# KiCad board panel.kicad_pcb (continued)
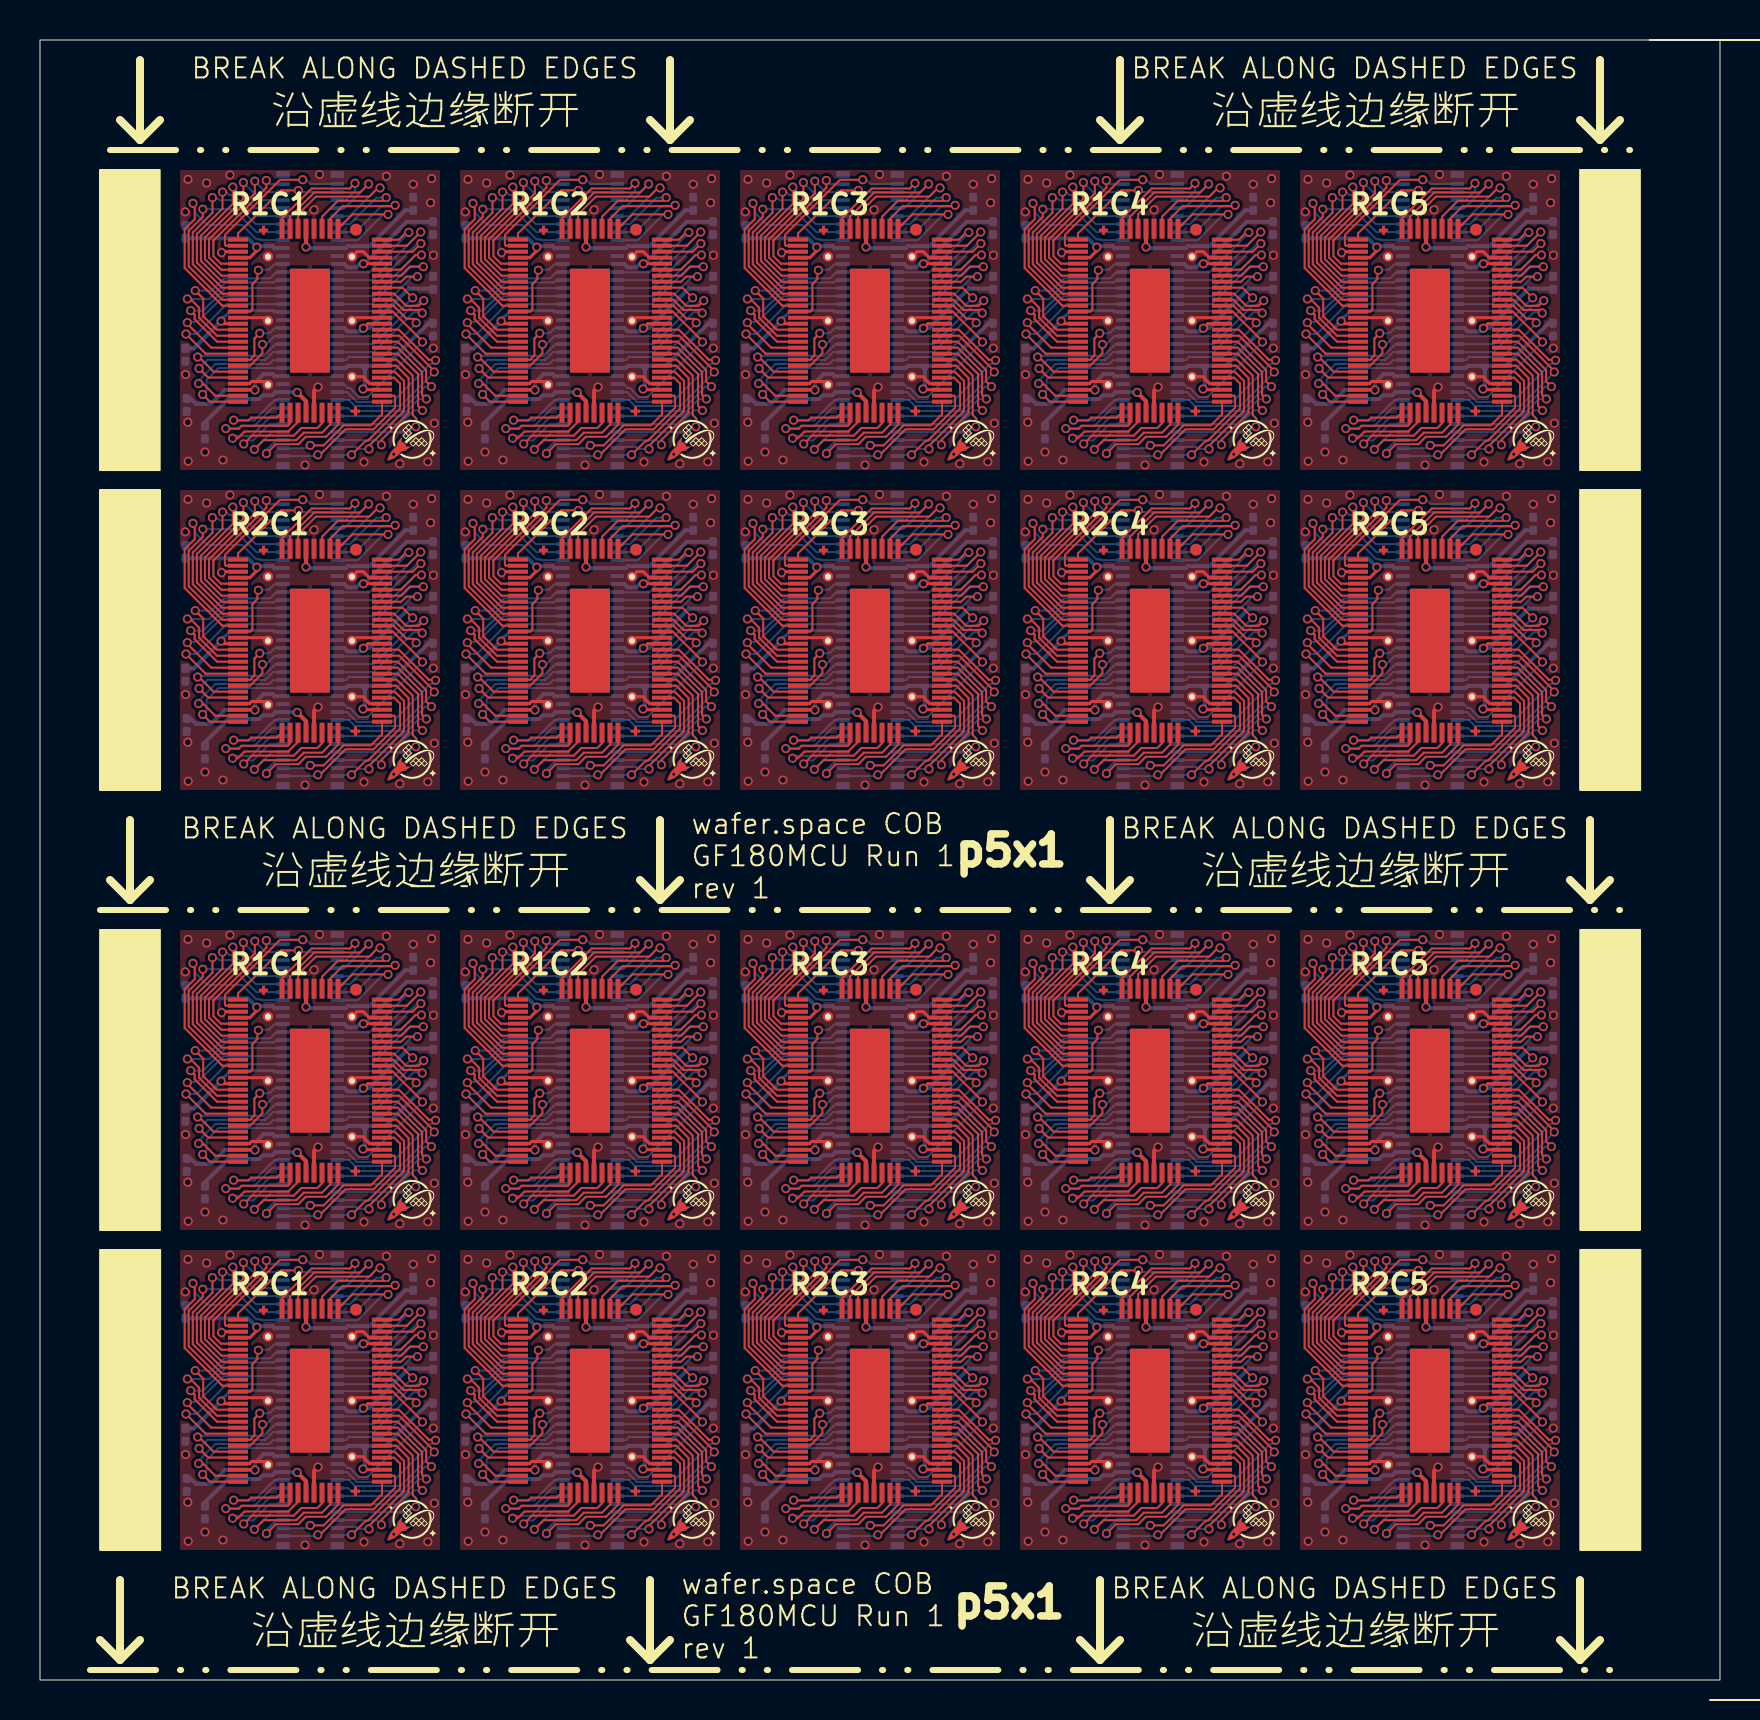
[diagram p0: board, top side]
## Routing (per net, layer and track width the routed paths; a pad name or vN(x,y) marks a point on that pad's centre or on a via; arc(x,y) is an arc through that point) (continued)
/bidir_6: length 203.2
  Top w0.1: v1(23.12,20.39) 23.12,19.58 21.84,18.29 21.84,16.87 23.1,15.61 23.9,15.61 ; 65.9,15.61 65.1,15.61 63.84,16.87 63.84,18.29 65.12,19.58 v1(65.12,20.39) ; v1(65.12,74.39) 65.12,73.58 63.84,72.29 63.84,70.87 65.1,69.62 U110#2.17 ; v1(65.12,36.39) 65.12,35.58 63.84,34.29 63.84,32.87 65.1,31.61 65.9,31.61 ; 9.9,31.61 9.1,31.61 7.84,32.87 7.84,34.29 9.12,35.58 v1(9.12,36.39) ; v1(9.12,58.39) 9.12,57.58 7.84,56.29 7.84,54.87 9.1,53.61 9.9,53.61 ; 23.9,31.61 23.1,31.61 21.84,32.87 21.84,34.29 23.12,35.58 v1(23.12,36.39) ; 51.9,53.61 51.1,53.61 49.84,54.87 49.84,56.29 51.12,57.58 v1(51.12,58.39) ; 37.9,15.61 37.1,15.61 35.84,16.87 35.84,18.29 37.12,19.58 v1(37.12,20.39) ; 23.9,53.61 23.1,53.61 21.84,54.87 21.84,56.29 23.12,57.58 v1(23.12,58.39) ; 9.9,15.61 9.1,15.61 7.84,16.87 7.84,18.29 9.12,19.58 v1(9.12,20.39) ; v1(51.12,74.39) 51.12,73.58 49.84,72.29 49.84,70.87 51.1,69.62 U108#2.17 ; v1(65.12,58.39) 65.12,57.58 63.84,56.29 63.84,54.87 65.1,53.61 65.9,53.61 ; 37.9,53.61 37.1,53.61 35.84,54.87 35.84,56.29 37.12,57.58 v1(37.12,58.39) ; 51.9,15.61 51.1,15.61 49.84,16.87 49.84,18.29 51.12,19.58 v1(51.12,20.39) ; U102#2.17 9.1,69.62 7.84,70.87 7.84,72.29 9.12,73.58 v1(9.12,74.39) ; v1(51.12,36.39) 51.12,35.58 49.84,34.29 49.84,32.87 51.1,31.61 51.9,31.61 ; 37.9,31.61 37.1,31.61 35.84,32.87 35.84,34.29 37.12,35.58 v1(37.12,36.39) ; U104#2.17 23.1,69.62 21.84,70.87 21.84,72.29 23.12,73.58 v1(23.12,74.39) ; v1(37.12,74.39) 37.12,73.58 35.84,72.29 35.84,70.87 37.1,69.62 U106#2.17
  Bottom w0.1: v1(23.12,58.39) 23.33,58.39 23.48,58.24 23.7,58.24 24.74,57.2 U113.66 ; v1(65.12,20.39) 65.33,20.39 65.48,20.24 65.7,20.24 66.75,19.2 U119.66 ; U103#2.66 24.74,73.19 23.7,74.24 23.48,74.24 23.33,74.39 v1(23.12,74.39) ; v1(51.12,58.39) 51.33,58.39 51.48,58.24 51.7,58.24 52.74,57.2 U117#2.66 ; U105#2.66 38.74,73.19 37.7,74.24 37.48,74.24 37.33,74.39 v1(37.12,74.39) ; U115#2.66 38.74,57.2 37.7,58.24 37.48,58.24 37.33,58.39 v1(37.12,58.39) ; U111#2.66 10.74,19.2 9.7,20.24 9.48,20.24 9.33,20.39 v1(9.12,20.39) ; U113#2.66 24.74,19.2 23.7,20.24 23.48,20.24 23.33,20.39 v1(23.12,20.39) ; U101#2.66 10.74,35.2 9.7,36.24 9.48,36.24 9.33,36.39 v1(9.12,36.39) ; U107.66 52.74,73.19 51.7,74.24 51.48,74.24 51.33,74.39 v1(51.12,74.39) ; U117.66 52.74,19.2 51.7,20.24 51.48,20.24 51.33,20.39 v1(51.12,20.39) ; v1(65.12,74.39) 65.33,74.39 65.48,74.24 65.7,74.24 66.75,73.19 U109.66 ; v1(37.12,36.39) 37.33,36.39 37.48,36.24 37.7,36.24 38.74,35.2 U105.66 ; U111.66 10.74,57.2 9.7,58.24 9.48,58.24 9.33,58.39 v1(9.12,58.39) ; U101.66 10.74,73.19 9.7,74.24 9.48,74.24 9.33,74.39 v1(9.12,74.39) ; v1(65.12,58.39) 65.33,58.39 65.48,58.24 65.7,58.24 66.75,57.2 U119#2.66 ; U107#2.66 52.74,35.2 51.7,36.24 51.48,36.24 51.33,36.39 v1(51.12,36.39) ; U103.66 24.74,35.2 23.7,36.24 23.48,36.24 23.33,36.39 v1(23.12,36.39) ; U109#2.66 66.75,35.2 65.7,36.24 65.48,36.24 65.33,36.39 v1(65.12,36.39) ; v1(37.12,20.39) 37.33,20.39 37.48,20.24 37.7,20.24 38.74,19.2 U115.66
/bidir_7: length 213.7
  Top w0.1: U104.18 23.11,31.31 21.64,32.79 21.64,34.38 22.62,35.36 v1(22.62,36.12) ; v1(22.62,58.12) 22.62,57.36 21.64,56.38 21.64,54.79 23.11,53.31 U114.18 ; U110.18 65.11,31.31 63.64,32.79 63.64,34.38 64.62,35.36 v1(64.62,36.12) ; U118#2.18 51.11,15.31 49.64,16.79 49.64,18.38 50.62,19.36 v1(50.62,20.12) ; 65.9,69.31 65.11,69.31 63.64,70.79 63.64,72.38 64.62,73.36 v1(64.62,74.12) ; v1(8.62,74.12) 8.62,73.36 7.64,72.38 7.64,70.79 9.11,69.31 9.9,69.31 ; v1(36.62,36.12) 36.62,35.36 35.64,34.38 35.64,32.79 37.11,31.31 U106.18 ; v1(64.62,58.12) 64.62,57.36 63.64,56.38 63.64,54.79 65.11,53.31 U120#2.18 ; v1(36.62,58.12) 36.62,57.36 35.64,56.38 35.64,54.79 37.11,53.31 U116.18 ; v1(8.62,36.12) 8.62,35.36 7.64,34.38 7.64,32.79 9.11,31.31 U102.18 ; 37.9,69.31 37.11,69.31 35.64,70.79 35.64,72.38 36.62,73.36 v1(36.62,74.12) ; 51.9,69.31 51.11,69.31 49.64,70.79 49.64,72.38 50.62,73.36 v1(50.62,74.12) ; U120.18 65.11,15.31 63.64,16.79 63.64,18.38 64.62,19.36 v1(64.62,20.12) ; v1(8.62,20.12) 8.62,19.36 7.64,18.38 7.64,16.79 9.11,15.31 U112#2.18 ; U116#2.18 37.11,15.31 35.64,16.79 35.64,18.38 36.62,19.36 v1(36.62,20.12) ; U114#2.18 23.11,15.31 21.64,16.79 21.64,18.38 22.62,19.36 v1(22.62,20.12) ; v1(50.62,36.12) 50.62,35.36 49.64,34.38 49.64,32.79 51.11,31.31 U108.18 ; v1(8.62,58.12) 8.62,57.36 7.64,56.38 7.64,54.79 9.11,53.31 U112.18 ; v1(50.62,58.12) 50.62,57.36 49.64,56.38 49.64,54.79 51.11,53.31 U118.18 ; v1(22.62,74.12) 22.62,73.36 21.64,72.38 21.64,70.79 23.11,69.31 23.9,69.31
  Bottom w0.1: v1(36.62,58.12) 36.84,58.12 36.96,57.99 37.59,57.99 38.79,56.8 U115#2.65 ; v1(50.62,20.12) 50.84,20.12 50.96,19.99 51.59,19.99 52.79,18.8 U117.65 ; U107.65 52.79,72.8 51.59,73.99 50.96,73.99 50.84,74.12 v1(50.62,74.12) ; v1(8.62,58.12) 8.84,58.12 8.96,57.99 9.59,57.99 10.79,56.8 U111.65 ; v1(36.62,36.12) 36.84,36.12 36.96,35.99 37.59,35.99 38.79,34.8 U105.65 ; U103.65 24.79,34.8 23.59,35.99 22.96,35.99 22.84,36.12 v1(22.62,36.12) ; v1(50.62,58.12) 50.84,58.12 50.96,57.99 51.59,57.99 52.79,56.8 U117#2.65 ; v1(36.62,20.12) 36.84,20.12 36.96,19.99 37.59,19.99 38.79,18.8 U115.65 ; U119.65 66.78,18.8 65.59,19.99 64.96,19.99 64.84,20.12 v1(64.62,20.12) ; U111#2.65 10.79,18.8 9.59,19.99 8.96,19.99 8.84,20.12 v1(8.62,20.12) ; v1(64.62,36.12) 64.84,36.12 64.96,35.99 65.59,35.99 66.78,34.8 U109#2.65 ; U119#2.65 66.78,56.8 65.59,57.99 64.96,57.99 64.84,58.12 v1(64.62,58.12) ; v1(8.62,36.12) 8.84,36.12 8.96,35.99 9.59,35.99 10.79,34.8 U101#2.65 ; U109.65 66.78,72.8 65.59,73.99 64.96,73.99 64.84,74.12 v1(64.62,74.12) ; v1(50.62,36.12) 50.84,36.12 50.96,35.99 51.59,35.99 52.79,34.8 U107#2.65 ; U101.65 10.79,72.8 9.59,73.99 8.96,73.99 8.84,74.12 v1(8.62,74.12) ; v1(22.62,74.12) 22.84,74.12 22.96,73.99 23.59,73.99 24.79,72.8 U103#2.65 ; v1(22.62,20.12) 22.84,20.12 22.96,19.99 23.59,19.99 24.79,18.8 U113#2.65 ; U105#2.65 38.79,72.8 37.59,73.99 36.96,73.99 36.84,74.12 v1(36.62,74.12) ; U113.65 24.79,56.8 23.59,57.99 22.96,57.99 22.84,58.12 v1(22.62,58.12)
/bidir_8: length 218.5
  Top w0.1: U116#2.19 37.1,15.02 35.43,16.69 35.43,18.46 36.14,19.17 v1(36.14,19.54) ; v1(8.14,19.54) 8.14,19.17 7.43,18.46 7.43,16.69 9.1,15.02 U112#2.19 ; U110#2.19 65.1,69.02 63.43,70.69 63.43,72.46 64.14,73.17 v1(64.14,73.54) ; v1(22.14,19.54) 22.14,19.17 21.43,18.46 21.43,16.69 23.1,15.02 U114#2.19 ; U120.19 65.1,15.02 63.43,16.69 63.43,18.46 64.14,19.17 v1(64.14,19.54) ; U120#2.19 65.1,53.02 63.43,54.69 63.43,56.46 64.14,57.17 v1(64.14,57.54) ; v1(36.14,35.54) 36.14,35.17 35.43,34.46 35.43,32.69 37.1,31.02 U106.19 ; v1(64.14,35.54) 64.14,35.17 63.43,34.46 63.43,32.69 65.1,31.02 U110.19 ; U106#2.19 37.1,69.02 35.43,70.69 35.43,72.46 36.14,73.17 v1(36.14,73.54) ; v1(22.14,57.54) 22.14,57.17 21.43,56.46 21.43,54.69 23.1,53.02 U114.19 ; v1(8.14,73.54) 8.14,73.17 7.43,72.46 7.43,70.69 9.1,69.02 U102#2.19 ; U118#2.19 51.1,15.02 49.43,16.69 49.43,18.46 50.14,19.17 v1(50.14,19.54) ; v1(22.14,73.54) 22.14,73.17 21.43,72.46 21.43,70.69 23.1,69.02 U104#2.19 ; v1(50.14,57.54) 50.14,57.17 49.43,56.46 49.43,54.69 51.1,53.02 U118.19 ; U108.19 51.1,31.02 49.43,32.69 49.43,34.46 50.14,35.17 v1(50.14,35.54) ; U112.19 9.1,53.02 7.43,54.69 7.43,56.46 8.14,57.17 v1(8.14,57.54) ; v1(50.14,73.54) 50.14,73.17 49.43,72.46 49.43,70.69 51.1,69.02 U108#2.19 ; v1(36.14,57.54) 36.14,57.17 35.43,56.46 35.43,54.69 37.1,53.02 U116.19 ; v1(8.14,35.54) 8.14,35.17 7.43,34.46 7.43,32.69 9.1,31.02 U102.19 ; U104.19 23.1,31.02 21.43,32.69 21.43,34.46 22.14,35.17 v1(22.14,35.54)
  Bottom w0.1: 54.15,34.39 52.82,34.39 51.68,35.54 50.24,35.54 50.14,35.63 v1(50.14,35.54) ; U105#2.64 38.82,72.4 37.68,73.54 36.24,73.54 36.14,73.63 v1(36.14,73.54) ; 12.15,18.39 10.82,18.39 9.68,19.54 8.24,19.54 8.14,19.63 v1(8.14,19.54) ; 54.15,18.39 52.82,18.39 51.68,19.54 50.24,19.54 50.14,19.63 v1(50.14,19.54) ; v1(50.14,57.54) 50.14,57.63 50.24,57.54 51.68,57.54 52.82,56.39 54.15,56.39 ; 68.16,18.39 66.82,18.39 65.68,19.54 64.24,19.54 64.14,19.63 v1(64.14,19.54) ; v1(36.14,57.54) 36.14,57.63 36.24,57.54 37.68,57.54 38.82,56.39 40.15,56.39 ; v1(64.14,57.54) 64.14,57.63 64.24,57.54 65.68,57.54 66.82,56.39 68.16,56.39 ; v1(22.14,19.54) 22.14,19.63 22.24,19.54 23.68,19.54 24.82,18.39 26.15,18.39 ; v1(36.14,19.54) 36.14,19.63 36.24,19.54 37.68,19.54 38.82,18.39 40.15,18.39 ; v1(64.14,35.54) 64.14,35.63 64.24,35.54 65.68,35.54 66.82,34.39 68.16,34.39 ; v1(8.14,73.54) 8.14,73.63 8.24,73.54 9.68,73.54 10.82,72.4 U101.64 ; 26.15,56.39 24.82,56.39 23.68,57.54 22.24,57.54 22.14,57.63 v1(22.14,57.54) ; U103#2.64 24.82,72.4 23.68,73.54 22.24,73.54 22.14,73.63 v1(22.14,73.54) ; v1(64.14,73.54) 64.14,73.63 64.24,73.54 65.68,73.54 66.82,72.4 U109.64 ; U107.64 52.82,72.4 51.68,73.54 50.24,73.54 50.14,73.63 v1(50.14,73.54) ; 26.15,34.39 24.82,34.39 23.68,35.54 22.24,35.54 22.14,35.63 v1(22.14,35.54) ; v1(36.14,35.54) 36.14,35.63 36.24,35.54 37.68,35.54 38.82,34.39 40.15,34.39 ; 12.15,56.39 10.82,56.39 9.68,57.54 8.24,57.54 8.14,57.63 v1(8.14,57.54) ; 12.15,34.39 10.82,34.39 9.68,35.54 8.24,35.54 8.14,35.63 v1(8.14,35.54)
/bidir_9: length 248.4
  Top w0.1: v1(49.65,73.83) 49.74,73.74 49.74,73.05 49.23,72.54 49.23,72.54 49.23,70.6 51.12,68.72 U108#2.20 ; v1(63.65,73.83) 63.74,73.74 63.74,73.05 63.23,72.54 63.23,72.54 63.23,70.6 65.12,68.72 U110#2.20 ; U118.20 51.12,52.72 49.23,54.6 49.23,56.54 49.23,56.54 49.74,57.05 49.74,57.74 v1(49.65,57.83) ; v1(35.65,73.83) 35.74,73.74 35.74,73.05 35.23,72.54 35.23,72.54 35.23,70.6 37.12,68.72 U106#2.20 ; v1(21.65,19.83) 21.74,19.74 21.74,19.05 21.23,18.54 21.23,18.54 21.23,16.6 23.12,14.72 U114#2.20 ; v1(7.65,57.83) 7.74,57.74 7.74,57.05 7.23,56.54 7.23,56.54 7.23,54.6 9.12,52.72 U112.20 ; U116#2.20 37.12,14.72 35.23,16.6 35.23,18.54 35.23,18.54 35.74,19.05 35.74,19.74 v1(35.65,19.83) ; v1(7.65,73.83) 7.74,73.74 7.74,73.05 7.23,72.54 7.23,72.54 7.23,70.6 9.12,68.72 U102#2.20 ; v1(63.65,19.83) 63.74,19.74 63.74,19.05 63.23,18.54 63.23,18.54 63.23,16.6 65.12,14.72 U120.20 ; v1(21.65,35.83) 21.74,35.74 21.74,35.05 21.23,34.54 21.23,34.54 21.23,32.6 23.12,30.72 U104.20 ; v1(63.65,57.83) 63.74,57.74 63.74,57.05 63.23,56.54 63.23,56.54 63.23,54.6 65.12,52.72 U120#2.20 ; U116.20 37.12,52.72 35.23,54.6 35.23,56.54 35.23,56.54 35.74,57.05 35.74,57.74 v1(35.65,57.83) ; v1(49.65,35.83) 49.74,35.74 49.74,35.05 49.23,34.54 49.23,34.54 49.23,32.6 51.12,30.72 U108.20 ; U112#2.20 9.12,14.72 7.23,16.6 7.23,18.54 7.23,18.54 7.74,19.05 7.74,19.74 v1(7.65,19.83) ; U104#2.20 23.12,68.72 21.23,70.6 21.23,72.54 21.23,72.54 21.74,73.05 21.74,73.74 v1(21.65,73.83) ; U118#2.20 51.12,14.72 49.23,16.6 49.23,18.54 49.23,18.54 49.74,19.05 49.74,19.74 v1(49.65,19.83) ; U106.20 37.12,30.72 35.23,32.6 35.23,34.54 35.23,34.54 35.74,35.05 35.74,35.74 v1(35.65,35.83) ; U110.20 65.12,30.72 63.23,32.6 63.23,34.54 63.23,34.54 63.74,35.05 63.74,35.74 v1(63.65,35.83) ; U102.20 9.12,30.72 7.23,32.6 7.23,34.54 7.23,34.54 7.74,35.05 7.74,35.74 v1(7.65,35.83) ; U114.20 23.12,52.72 21.23,54.6 21.23,56.54 21.23,56.54 21.74,57.05 21.74,57.74 v1(21.65,57.83)
  Bottom w0.1: U113#2.63 25.05,18 25.01,18.04 24.82,18.04 24.11,18.75 22.36,18.75 21.74,19.37 21.74,19.74 v1(21.65,19.83) ; v1(63.65,73.83) 63.74,73.74 63.74,73.37 64.36,72.75 66.11,72.75 66.82,72.04 67.01,72.04 67.05,72 U109.63 ; v1(7.65,35.83) 7.74,35.74 7.74,35.37 8.36,34.75 10.11,34.75 10.82,34.04 11.01,34.04 11.05,34 U101#2.63 ; U107.63 53.05,72 53.01,72.04 52.82,72.04 52.11,72.75 50.36,72.75 49.74,73.37 49.74,73.74 v1(49.65,73.83) ; U107#2.63 53.05,34 53.01,34.04 52.82,34.04 52.11,34.75 50.36,34.75 49.74,35.37 49.74,35.74 v1(49.65,35.83) ; v1(35.65,35.83) 35.74,35.74 35.74,35.37 36.36,34.75 38.11,34.75 38.82,34.04 39.01,34.04 39.05,34 U105.63 ; U109#2.63 67.05,34 67.01,34.04 66.82,34.04 66.11,34.75 64.36,34.75 63.74,35.37 63.74,35.74 v1(63.65,35.83) ; U119.63 67.05,18 67.01,18.04 66.82,18.04 66.11,18.75 64.36,18.75 63.74,19.37 63.74,19.74 v1(63.65,19.83) ; U117#2.63 53.05,56 53.01,56.04 52.82,56.04 52.11,56.75 50.36,56.75 49.74,57.37 49.74,57.74 v1(49.65,57.83) ; v1(21.65,73.83) 21.74,73.74 21.74,73.37 22.36,72.75 24.11,72.75 24.82,72.04 25.01,72.04 25.05,72 U103#2.63 ; v1(7.65,57.83) 7.74,57.74 7.74,57.37 8.36,56.75 10.11,56.75 10.82,56.04 11.01,56.04 11.05,56 U111.63 ; U103.63 25.05,34 25.01,34.04 24.82,34.04 24.11,34.75 22.36,34.75 21.74,35.37 21.74,35.74 v1(21.65,35.83) ; v1(7.65,19.83) 7.74,19.74 7.74,19.37 8.36,18.75 10.11,18.75 10.82,18.04 11.01,18.04 11.05,18 U111#2.63 ; v1(63.65,57.83) 63.74,57.74 63.74,57.37 64.36,56.75 66.11,56.75 66.82,56.04 67.01,56.04 67.05,56 U119#2.63 ; U101.63 11.05,72 11.01,72.04 10.82,72.04 10.11,72.75 8.36,72.75 7.74,73.37 7.74,73.74 v1(7.65,73.83) ; v1(35.65,57.83) 35.74,57.74 35.74,57.37 36.36,56.75 38.11,56.75 38.82,56.04 39.01,56.04 39.05,56 U115#2.63 ; U117.63 53.05,18 53.01,18.04 52.82,18.04 52.11,18.75 50.36,18.75 49.74,19.37 49.74,19.74 v1(49.65,19.83) ; U115.63 39.05,18 39.01,18.04 38.82,18.04 38.11,18.75 36.36,18.75 35.74,19.37 35.74,19.74 v1(35.65,19.83) ; U113.63 25.05,56 25.01,56.04 24.82,56.04 24.11,56.75 22.36,56.75 21.74,57.37 21.74,57.74 v1(21.65,57.83) ; U105#2.63 39.05,72 39.01,72.04 38.82,72.04 38.11,72.75 36.36,72.75 35.74,73.37 35.74,73.74 v1(35.65,73.83)
/bidir_10: length 84.3
  Top w0.1: U106.21 38.51,30.42 38.62,30.53 38.62,31.8 38.87,32.05 38.87,32.44 v1(38.92,32.49) ; U102.21 10.51,30.42 10.62,30.53 10.62,31.8 10.87,32.05 10.87,32.44 v1(10.92,32.49) ; v1(38.92,70.49) 38.87,70.44 38.87,70.05 38.62,69.8 38.62,68.53 38.51,68.41 37.9,68.41 ; 9.9,68.41 10.51,68.41 10.62,68.53 10.62,69.8 10.87,70.05 10.87,70.44 v1(10.92,70.49) ; v1(38.92,54.49) 38.87,54.44 38.87,54.05 38.62,53.8 38.62,52.53 38.51,52.42 U116.21 ; v1(52.92,32.49) 52.87,32.44 52.87,32.05 52.62,31.8 52.62,30.53 52.51,30.42 U108.21 ; U120.21 66.51,14.42 66.62,14.53 66.62,15.8 66.87,16.05 66.87,16.44 v1(66.92,16.49) ; v1(24.92,54.49) 24.87,54.44 24.87,54.05 24.62,53.8 24.62,52.53 24.51,52.42 U114.21 ; v1(52.92,16.49) 52.87,16.44 52.87,16.05 52.62,15.8 52.62,14.53 52.51,14.42 U118#2.21 ; v1(24.92,70.49) 24.87,70.44 24.87,70.05 24.62,69.8 24.62,68.53 24.51,68.41 23.9,68.41 ; v1(10.92,16.49) 10.87,16.44 10.87,16.05 10.62,15.8 10.62,14.53 10.51,14.42 U112#2.21 ; U104.21 24.51,30.42 24.62,30.53 24.62,31.8 24.87,32.05 24.87,32.44 v1(24.92,32.49) ; U114#2.21 24.51,14.42 24.62,14.53 24.62,15.8 24.87,16.05 24.87,16.44 v1(24.92,16.49) ; v1(66.92,32.49) 66.87,32.44 66.87,32.05 66.62,31.8 66.62,30.53 66.51,30.42 U110.21 ; v1(52.92,70.49) 52.87,70.44 52.87,70.05 52.62,69.8 52.62,68.53 52.51,68.41 51.9,68.41 ; 65.9,68.41 66.51,68.41 66.62,68.53 66.62,69.8 66.87,70.05 66.87,70.44 v1(66.92,70.49) ; U116#2.21 38.51,14.42 38.62,14.53 38.62,15.8 38.87,16.05 38.87,16.44 v1(38.92,16.49) ; v1(52.92,54.49) 52.87,54.44 52.87,54.05 52.62,53.8 52.62,52.53 52.51,52.42 U118.21 ; v1(66.92,54.49) 66.87,54.44 66.87,54.05 66.62,53.8 66.62,52.53 66.51,52.42 U120#2.21 ; v1(10.92,54.49) 10.87,54.44 10.87,54.05 10.62,53.8 10.62,52.53 10.51,52.42 U112.21
  Bottom w0.1: v1(66.92,54.49) 66.95,54.52 67.45,54.52 67.72,54.8 U119#2.60 ; U103.60 25.73,32.8 25.45,32.52 24.95,32.52 v1(24.92,32.49) ; v1(66.92,16.49) 66.95,16.52 67.45,16.52 67.72,16.8 U119.60 ; v1(10.92,16.49) 10.95,16.52 11.45,16.52 11.73,16.8 U111#2.60 ; v1(52.92,70.49) 52.95,70.52 53.45,70.52 53.73,70.8 U107.60 ; v1(66.92,32.49) 66.95,32.52 67.45,32.52 67.72,32.8 U109#2.60 ; v1(10.92,70.49) 10.95,70.52 11.45,70.52 11.73,70.8 U101.60 ; v1(24.92,16.49) 24.95,16.52 25.45,16.52 25.73,16.8 U113#2.60 ; U103#2.60 25.73,70.8 25.45,70.52 24.95,70.52 v1(24.92,70.49) ; U111.60 11.73,54.8 11.45,54.52 10.95,54.52 v1(10.92,54.49) ; v1(24.92,54.49) 24.95,54.52 25.45,54.52 25.73,54.8 U113.60 ; U105.60 39.73,32.8 39.45,32.52 38.95,32.52 v1(38.92,32.49) ; U109.60 67.72,70.8 67.45,70.52 66.95,70.52 v1(66.92,70.49) ; v1(38.92,70.49) 38.95,70.52 39.45,70.52 39.73,70.8 U105#2.60 ; U101#2.60 11.73,32.8 11.45,32.52 10.95,32.52 v1(10.92,32.49) ; v1(38.92,54.49) 38.95,54.52 39.45,54.52 39.73,54.8 U115#2.60 ; v1(52.92,54.49) 52.95,54.52 53.45,54.52 53.73,54.8 U117#2.60 ; U115.60 39.73,16.8 39.45,16.52 38.95,16.52 v1(38.92,16.49) ; v1(52.92,16.49) 52.95,16.52 53.45,16.52 53.73,16.8 U117.60 ; v1(52.92,32.49) 52.95,32.52 53.45,32.52 53.73,32.8 U107#2.60
/bidir_11: length 164.9
  Top w0.1: U110.24 64.84,29.52 64.16,30.19 64.16,31.07 v1(63.76,31.47) ; U104.24 22.84,29.52 22.16,30.19 22.16,31.07 v1(21.76,31.47) ; v1(7.76,15.47) 8.16,15.07 8.16,14.19 8.84,13.52 U112#2.24 ; v1(7.76,53.47) 8.16,53.07 8.16,52.19 8.84,51.52 U112.24 ; U120.24 64.84,13.52 64.16,14.19 64.16,15.07 v1(63.76,15.47) ; v1(35.76,53.47) 36.16,53.07 36.16,52.19 36.84,51.52 U116.24 ; U106.24 36.84,29.52 36.16,30.19 36.16,31.07 v1(35.76,31.47) ; U116#2.24 36.84,13.52 36.16,14.19 36.16,15.07 v1(35.76,15.47) ; U114#2.24 22.84,13.52 22.16,14.19 22.16,15.07 v1(21.76,15.47) ; v1(63.76,53.47) 64.16,53.07 64.16,52.19 64.84,51.52 U120#2.24 ; v1(7.76,31.47) 8.16,31.07 8.16,30.19 8.84,29.52 U102.24 ; v1(21.76,69.47) 22.16,69.07 22.16,68.19 22.84,67.52 U104#2.24 ; v1(49.76,15.47) 50.16,15.07 50.16,14.19 50.84,13.52 U118#2.24 ; U102#2.24 8.84,67.52 8.16,68.19 8.16,69.07 v1(7.76,69.47) ; v1(49.76,69.47) 50.16,69.07 50.16,68.19 50.84,67.52 U108#2.24 ; U114.24 22.84,51.52 22.16,52.19 22.16,53.07 v1(21.76,53.47) ; v1(49.76,53.47) 50.16,53.07 50.16,52.19 50.84,51.52 U118.24 ; v1(63.76,69.47) 64.16,69.07 64.16,68.19 64.84,67.52 U110#2.24 ; v1(49.76,31.47) 50.16,31.07 50.16,30.19 50.84,29.52 U108.24 ; U106#2.24 36.84,67.52 36.16,68.19 36.16,69.07 v1(35.76,69.47)
  Bottom w0.1: v1(35.76,15.47) 35.76,15.47 36.58,15.47 37.19,16.08 39.5,16.08 39.82,16.39 40.15,16.39 ; 26.15,16.39 25.82,16.39 25.5,16.08 23.19,16.08 22.58,15.47 21.76,15.47 v1(21.76,15.47) ; 68.16,16.39 67.82,16.39 67.5,16.08 65.19,16.08 64.58,15.47 63.76,15.47 v1(63.76,15.47) ; v1(49.76,69.47) 49.76,69.47 50.58,69.47 51.19,70.08 53.5,70.08 53.82,70.4 U107.59 ; 12.15,16.39 11.82,16.39 11.5,16.08 9.19,16.08 8.58,15.47 7.76,15.47 v1(7.76,15.47) ; v1(7.76,31.47) 7.76,31.47 8.58,31.47 9.19,32.08 11.5,32.08 11.82,32.39 12.15,32.39 ; v1(63.76,69.47) 63.76,69.47 64.58,69.47 65.19,70.08 67.5,70.08 67.82,70.4 U109.59 ; v1(35.76,69.47) 35.76,69.47 36.58,69.47 37.19,70.08 39.5,70.08 39.82,70.4 U105#2.59 ; v1(21.76,53.47) 21.76,53.47 22.58,53.47 23.19,54.08 25.5,54.08 25.82,54.39 26.15,54.39 ; 54.15,32.39 53.82,32.39 53.5,32.08 51.19,32.08 50.58,31.47 49.76,31.47 v1(49.76,31.47) ; v1(21.76,69.47) 21.76,69.47 22.58,69.47 23.19,70.08 25.5,70.08 25.82,70.4 U103#2.59 ; 26.15,32.39 25.82,32.39 25.5,32.08 23.19,32.08 22.58,31.47 21.76,31.47 v1(21.76,31.47) ; v1(35.76,53.47) 35.76,53.47 36.58,53.47 37.19,54.08 39.5,54.08 39.82,54.39 40.15,54.39 ; v1(49.76,53.47) 49.76,53.47 50.58,53.47 51.19,54.08 53.5,54.08 53.82,54.39 54.15,54.39 ; v1(63.76,53.47) 63.76,53.47 64.58,53.47 65.19,54.08 67.5,54.08 67.82,54.39 68.16,54.39 ; 40.15,32.39 39.82,32.39 39.5,32.08 37.19,32.08 36.58,31.47 35.76,31.47 v1(35.76,31.47) ; 12.15,54.39 11.82,54.39 11.5,54.08 9.19,54.08 8.58,53.47 7.76,53.47 v1(7.76,53.47) ; U101.59 11.82,70.4 11.5,70.08 9.19,70.08 8.58,69.47 7.76,69.47 v1(7.76,69.47) ; 68.16,32.39 67.82,32.39 67.5,32.08 65.19,32.08 64.58,31.47 63.76,31.47 v1(63.76,31.47) ; v1(49.76,15.47) 49.76,15.47 50.58,15.47 51.19,16.08 53.5,16.08 53.82,16.39 54.15,16.39
/bidir_12: length 175.3
  Top w0.1: v1(7.37,15.05) 7.52,15.05 7.96,14.61 7.96,14.11 8.85,13.22 U112#2.25 ; U116.25 36.85,51.22 35.96,52.11 35.96,52.61 35.52,53.05 v1(35.37,53.05) ; U108#2.25 50.85,67.22 49.96,68.11 49.96,68.61 49.52,69.05 v1(49.37,69.05) ; U118.25 50.85,51.22 49.96,52.11 49.96,52.61 49.52,53.05 v1(49.37,53.05) ; U116#2.25 36.85,13.22 35.96,14.11 35.96,14.61 35.52,15.05 v1(35.37,15.05) ; v1(7.37,53.05) 7.52,53.05 7.96,52.61 7.96,52.11 8.85,51.22 U112.25 ; U108.25 50.85,29.22 49.96,30.11 49.96,30.61 49.52,31.05 v1(49.37,31.05) ; U110.25 64.85,29.22 63.96,30.11 63.96,30.61 63.52,31.05 v1(63.37,31.05) ; v1(63.37,69.05) 63.52,69.05 63.96,68.61 63.96,68.11 64.85,67.22 U110#2.25 ; v1(21.37,53.05) 21.52,53.05 21.96,52.61 21.96,52.11 22.85,51.22 U114.25 ; v1(21.37,15.05) 21.52,15.05 21.96,14.61 21.96,14.11 22.85,13.22 U114#2.25 ; v1(7.37,69.05) 7.52,69.05 7.96,68.61 7.96,68.11 8.85,67.22 U102#2.25 ; v1(63.37,53.05) 63.52,53.05 63.96,52.61 63.96,52.11 64.85,51.22 U120#2.25 ; v1(35.37,69.05) 35.52,69.05 35.96,68.61 35.96,68.11 36.85,67.22 U106#2.25 ; U104.25 22.85,29.22 21.96,30.11 21.96,30.61 21.52,31.05 v1(21.37,31.05) ; v1(7.37,31.05) 7.52,31.05 7.96,30.61 7.96,30.11 8.85,29.22 U102.25 ; U104#2.25 22.85,67.22 21.96,68.11 21.96,68.61 21.52,69.05 v1(21.37,69.05) ; U106.25 36.85,29.22 35.96,30.11 35.96,30.61 35.52,31.05 v1(35.37,31.05) ; U120.25 64.85,13.22 63.96,14.11 63.96,14.61 63.52,15.05 v1(63.37,15.05) ; U118#2.25 50.85,13.22 49.96,14.11 49.96,14.61 49.52,15.05 v1(49.37,15.05)
  Bottom w0.1: v1(49.37,31.05) 49.52,31.05 49.52,31.05 50.45,31.05 51.28,31.88 53.59,31.88 53.59,31.88 53.7,31.88 53.82,32 U107#2.58 ; U115#2.58 39.82,54 39.7,53.88 39.59,53.88 39.59,53.88 37.28,53.88 36.45,53.05 35.52,53.05 35.52,53.05 v1(35.37,53.05) ; U109#2.58 67.82,32 67.7,31.88 67.59,31.88 67.59,31.88 65.28,31.88 64.45,31.05 63.52,31.05 63.52,31.05 v1(63.37,31.05) ; v1(49.37,53.05) 49.52,53.05 49.52,53.05 50.45,53.05 51.28,53.88 53.59,53.88 53.59,53.88 53.7,53.88 53.82,54 U117#2.58 ; v1(35.37,15.05) 35.52,15.05 35.52,15.05 36.45,15.05 37.28,15.88 39.59,15.88 39.59,15.88 39.7,15.88 39.82,16 U115.58 ; U101#2.58 11.82,32 11.7,31.88 11.59,31.88 11.59,31.88 9.28,31.88 8.45,31.05 7.52,31.05 7.52,31.05 v1(7.37,31.05) ; v1(21.37,53.05) 21.52,53.05 21.52,53.05 22.45,53.05 23.28,53.88 25.59,53.88 25.59,53.88 25.7,53.88 25.82,54 U113.58 ; U103.58 25.82,32 25.7,31.88 25.59,31.88 25.59,31.88 23.28,31.88 22.45,31.05 21.52,31.05 21.52,31.05 v1(21.37,31.05) ; v1(63.37,53.05) 63.52,53.05 63.52,53.05 64.45,53.05 65.28,53.88 67.59,53.88 67.59,53.88 67.7,53.88 67.82,54 U119#2.58 ; v1(7.37,15.05) 7.52,15.05 7.52,15.05 8.45,15.05 9.28,15.88 11.59,15.88 11.59,15.88 11.7,15.88 11.82,16 U111#2.58 ; v1(7.37,53.05) 7.52,53.05 7.52,53.05 8.45,53.05 9.28,53.88 11.59,53.88 11.59,53.88 11.7,53.88 11.82,54 U111.58 ; U109.58 67.82,70 67.7,69.88 67.59,69.88 67.59,69.88 65.28,69.88 64.45,69.05 63.52,69.05 63.52,69.05 v1(63.37,69.05) ; U105.58 39.82,32 39.7,31.88 39.59,31.88 39.59,31.88 37.28,31.88 36.45,31.05 35.52,31.05 35.52,31.05 v1(35.37,31.05) ; v1(21.37,69.05) 21.52,69.05 21.52,69.05 22.45,69.05 23.28,69.88 25.59,69.88 25.59,69.88 25.7,69.88 25.82,70 U103#2.58 ; U119.58 67.82,16 67.7,15.88 67.59,15.88 67.59,15.88 65.28,15.88 64.45,15.05 63.52,15.05 63.52,15.05 v1(63.37,15.05) ; U113#2.58 25.82,16 25.7,15.88 25.59,15.88 25.59,15.88 23.28,15.88 22.45,15.05 21.52,15.05 21.52,15.05 v1(21.37,15.05) ; v1(49.37,69.05) 49.52,69.05 49.52,69.05 50.45,69.05 51.28,69.88 53.59,69.88 53.59,69.88 53.7,69.88 53.82,70 U107.58 ; U105#2.58 39.82,70 39.7,69.88 39.59,69.88 39.59,69.88 37.28,69.88 36.45,69.05 35.52,69.05 35.52,69.05 v1(35.37,69.05) ; v1(7.37,69.05) 7.52,69.05 7.52,69.05 8.45,69.05 9.28,69.88 11.59,69.88 11.59,69.88 11.7,69.88 11.82,70 U101.58 ; v1(49.37,15.05) 49.52,15.05 49.52,15.05 50.45,15.05 51.28,15.88 53.59,15.88 53.59,15.88 53.7,15.88 53.82,16 U117.58
/bidir_13: length 164.8
  Top w0.1: U106#2.26 36.86,66.91 35.73,68.04 35.73,68.26 35.53,68.46 v1(35.53,68.47) ; v1(21.53,14.47) 21.53,14.46 21.73,14.26 21.73,14.04 22.86,12.91 U114#2.26 ; U104#2.26 22.86,66.91 21.73,68.04 21.73,68.26 21.53,68.46 v1(21.53,68.47) ; v1(49.53,52.47) 49.53,52.46 49.73,52.26 49.73,52.04 50.86,50.91 U118.26 ; U108#2.26 50.86,66.91 49.73,68.04 49.73,68.26 49.53,68.46 v1(49.53,68.47) ; v1(21.53,52.47) 21.53,52.46 21.73,52.26 21.73,52.04 22.86,50.91 U114.26 ; U112#2.26 8.86,12.91 7.73,14.04 7.73,14.26 7.53,14.46 v1(7.53,14.47) ; U116.26 36.86,50.91 35.73,52.04 35.73,52.26 35.53,52.46 v1(35.53,52.47) ; U110#2.26 64.86,66.91 63.73,68.04 63.73,68.26 63.53,68.46 v1(63.53,68.47) ; U112.26 8.86,50.91 7.73,52.04 7.73,52.26 7.53,52.46 v1(7.53,52.47) ; U102#2.26 8.86,66.91 7.73,68.04 7.73,68.26 7.53,68.46 v1(7.53,68.47) ; v1(7.53,30.47) 7.53,30.46 7.73,30.26 7.73,30.04 8.86,28.91 U102.26 ; v1(63.53,30.47) 63.53,30.46 63.73,30.26 63.73,30.04 64.86,28.91 U110.26 ; U120#2.26 64.86,50.91 63.73,52.04 63.73,52.26 63.53,52.46 v1(63.53,52.47) ; v1(49.53,14.47) 49.53,14.46 49.73,14.26 49.73,14.04 50.86,12.91 U118#2.26 ; v1(35.53,30.47) 35.53,30.46 35.73,30.26 35.73,30.04 36.86,28.91 U106.26 ; U108.26 50.86,28.91 49.73,30.04 49.73,30.26 49.53,30.46 v1(49.53,30.47) ; U104.26 22.86,28.91 21.73,30.04 21.73,30.26 21.53,30.46 v1(21.53,30.47) ; v1(35.53,14.47) 35.53,14.46 35.73,14.26 35.73,14.04 36.86,12.91 U116#2.26 ; v1(63.53,14.47) 63.53,14.46 63.73,14.26 63.73,14.04 64.86,12.91 U120.26
  Bottom w0.1: v1(35.53,68.47) 36.15,68.47 37.28,69.59 U105#2.57 ; v1(49.53,52.47) 50.15,52.47 51.28,53.59 U117#2.57 ; v1(7.53,68.47) 8.15,68.47 9.28,69.59 U101.57 ; v1(35.53,52.47) 36.15,52.47 37.28,53.59 U115#2.57 ; v1(63.53,52.47) 64.15,52.47 65.28,53.59 U119#2.57 ; v1(49.53,30.47) 50.15,30.47 51.28,31.59 U107#2.57 ; U117.57 51.28,15.59 50.15,14.47 v1(49.53,14.47) ; v1(63.53,14.47) 64.15,14.47 65.28,15.59 U119.57 ; v1(21.53,14.47) 22.15,14.47 23.28,15.59 U113#2.57 ; U111.57 9.28,53.59 8.15,52.47 v1(7.53,52.47) ; v1(7.53,30.47) 8.15,30.47 9.28,31.59 U101#2.57 ; U109.57 65.28,69.59 64.15,68.47 v1(63.53,68.47) ; U107.57 51.28,69.59 50.15,68.47 v1(49.53,68.47) ; U103.57 23.28,31.59 22.15,30.47 v1(21.53,30.47) ; U113.57 23.28,53.59 22.15,52.47 v1(21.53,52.47) ; v1(63.53,30.47) 64.15,30.47 65.28,31.59 U109#2.57 ; v1(7.53,14.47) 8.15,14.47 9.28,15.59 U111#2.57 ; U115.57 37.28,15.59 36.15,14.47 v1(35.53,14.47) ; U103#2.57 23.28,69.59 22.15,68.47 v1(21.53,68.47) ; v1(35.53,30.47) 36.15,30.47 37.28,31.59 U105.57